# KiCad board TERES_PCB1-A64-MAIN_Rev.B.kicad_pcb (continued)
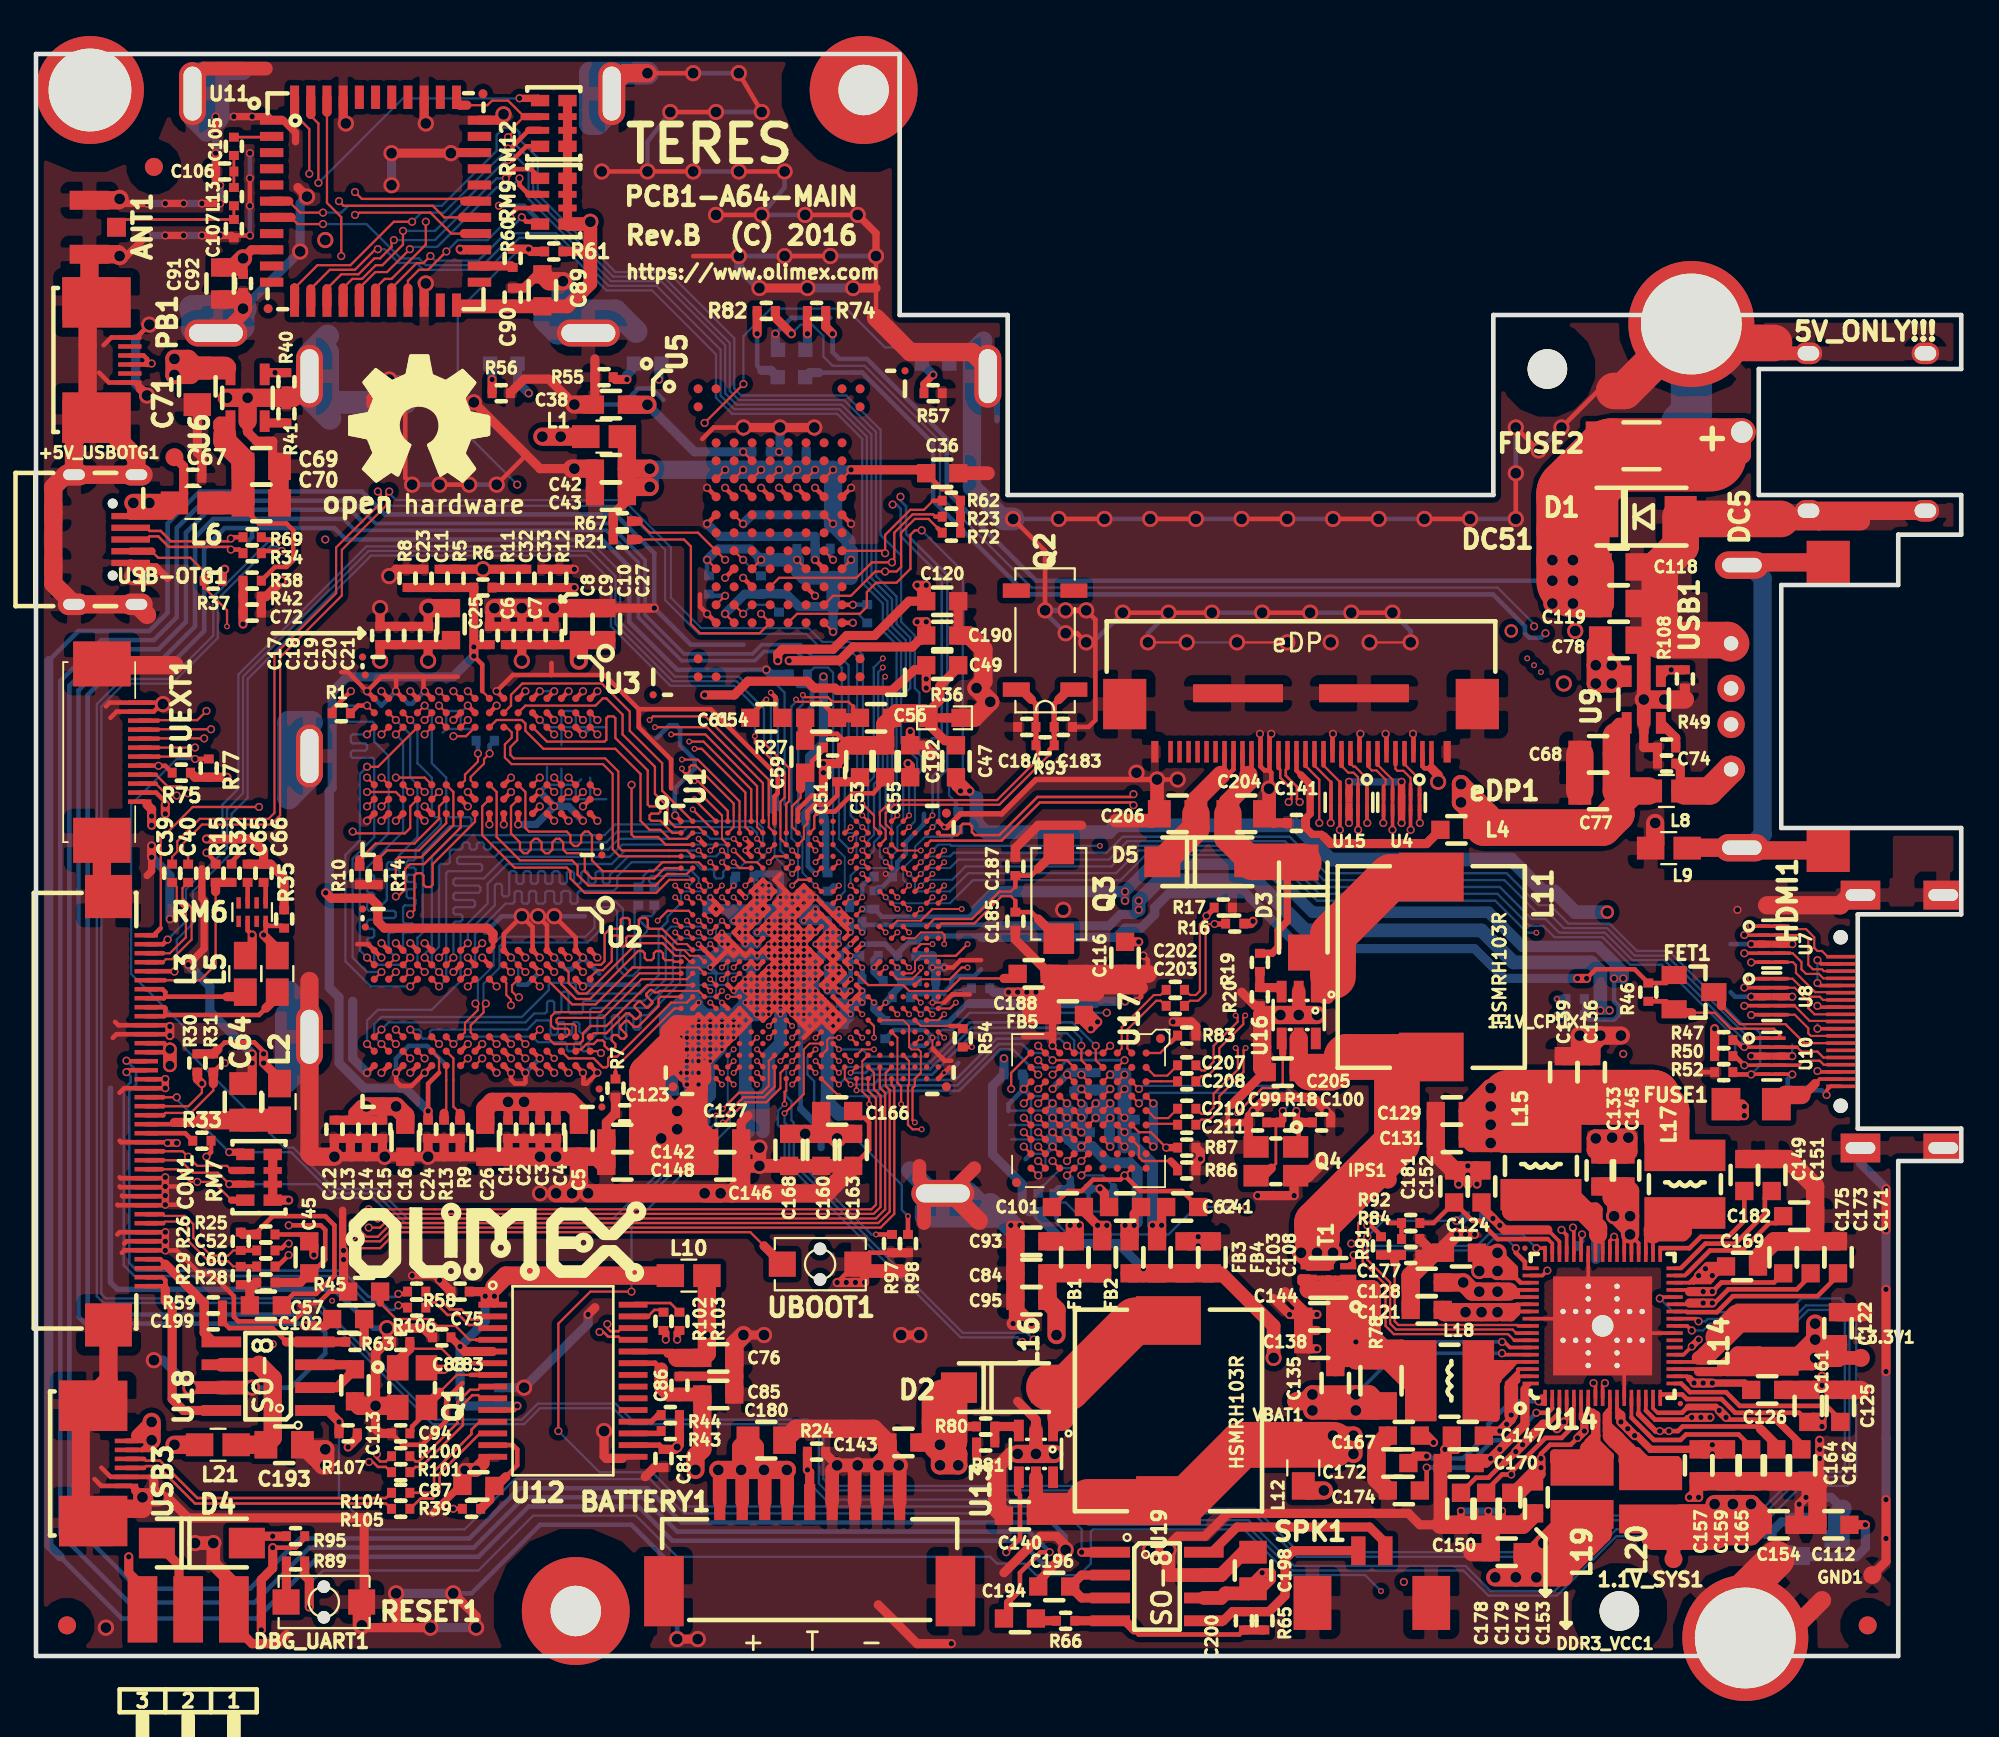
[diagram p0: board, top side]
## Routing (per net, layer and track width the routed paths; a pad name or vN(x,y) marks a point on that pad's centre or on a via; arc(x,y) is an arc through that point) (continued)
  Bottom w0.406: v4(38.78,42.8) 38.78,43.18 C22.2
/S0SWE: length 47.3
  Top w0.127: U1.C8 v4(40.07,45.4) ; U3.L3 v2(22.4,52) ; U2.L3 v2(22.4,38)
  In2.Cu w0.127: v2(22.4,52) 22.4,51.6 22.3,51.5 22.3,48.9 22.8,48.4 22.8,47.7 22.5,47.4 22.5,45.6 22.4,45.5 21.9,45.5 21.8,45.4 21.8,45.2 21.9,45.1 22.4,45.1 22.5,45 22.5,44.8 22.4,44.7 21.6,44.7 21.5,44.6 21.5,44.3 21.6,44.2 21.9,44.2 22,44.1 22,43.9 21.9,43.8 21.6,43.8 21.5,43.7 21.5,43.5 21.6,43.4 21.9,43.4 22,43.3 22,43.1 21.9,43 21.6,43 21.5,42.9 21.5,42.7 21.6,42.6 21.9,42.6 22,42.5 22,42.2 22.4,41.8 22.4,40.5 22.8,40.1 22.8,38.4 v2(22.4,38)
  Bottom w0.127: v2(22.4,38) 22,38.4 22,39 22.4,39.4 22.4,43.9 22.5,44 22.9,44 23,44.1 23,44.7 23.1,44.8 23.6,44.8 23.7,44.9 23.7,45.1 23.8,45.2 24,45.2 24.1,45.1 24.1,44.9 24.2,44.8 24.4,44.8 24.5,44.9 24.5,45.1 24.6,45.2 24.8,45.2 24.9,45.1 24.9,44.9 25,44.8 25.2,44.8 25.3,44.9 25.3,45.1 25.4,45.2 31.7,45.2 32.3,45.8 35.95,45.8 36.2,46.05 39.75,46.05 40.07,45.73 v4(40.07,45.4)
/USB&HDMI,WiFi&BT,Ethernet,LCD/AP-WAKE-BT: length 70.3
  Top w0.127: U1.B20 v4(48.53,46.05) ; v2(15.95,80.19) 14.68,80.19 14.05,80.82
  Top w0.508: U11.6 14.05,80.82
  Bottom w0.107: 48.85,46.38 48.85,47.02
  Bottom w0.127: v4(48.53,46.05) 48.85,46.38 ; v2(15.95,80.19) 16.97,80.19 17.35,80.57 22.56,80.57 25.6,83.62 25.6,84.51 25.98,84.89 26.62,84.89 26.87,84.63 26.87,84.25 27.89,83.24 27.89,81.2 32.21,76.89 35.13,76.89 38.81,73.2 38.81,70.41 39.19,70.03 45.03,70.03 46.94,68.12 46.94,62.28 48.08,61.14 48.08,57.45 48.84,56.69 48.84,53.77 49.1,53.52 49.1,50.09 49.22,49.96 49.22,49.2 48.85,48.83 48.85,47.02
/USB&HDMI,WiFi&BT,Ethernet,LCD/BT-PCM-CLK: length 104.8
  Top w0.127: v2(18.49,23.8) 19.13,23.8 19.63,24.31 46.69,24.31 47.19,24.82 47.19,31.28 46.9,31.58 U1.AB18 ; 23.83,79.02 23.08,79.02 21.92,80.19 17.98,80.19 17.86,80.06 v2(17.73,80.06)
  Top w0.508: 23.8,79.02 U11.26
  In2.Cu w0.127: v2(17.73,80.06) 17.98,79.81 17.98,62.28 13.67,57.96 13.67,28.63 v2(18.49,23.8)
/USB&HDMI,WiFi&BT,Ethernet,LCD/BT-PCM-DIN: length 108.1
  Top w0.127: U1.AC19 47.55,31.72 47.7,31.57 47.7,24.56 46.94,23.8 19.89,23.8 19.13,23.04 18.17,23.04 17.92,23.29 v2(17.6,23.29) ; v2(16.84,80.82) 17.09,80.57 22.05,80.57 22.69,79.92 23.7,79.92
  Top w0.508: 23.81,79.92 23.7,79.92 U11.27
  In2.Cu w0.127: v2(16.84,80.82) 16.84,79.68 17.47,79.05 17.47,62.53 13.16,58.22 13.16,28.25 17.09,24.31 17.09,23.8 v2(17.6,23.29)
/USB&HDMI,WiFi&BT,Ethernet,LCD/BT-PCM-DOUT: length 75.8
  Top w0.127: v4(49.82,35.65) U1.U22
  Top w0.508: v2(23.57,78.16) 23.6,78.12 U11.25
  In3.Cu w0.107: 50.15,35.33 51.45,35.33
  In3.Cu w0.127: v4(49.82,35.65) 50.15,35.33 ; v2(23.57,78.16) 24.08,78.66 29.03,78.66 29.79,77.9 32.97,77.9 38.94,71.93 44.38,71.93 50.5,65.82 50.5,61.39 51.26,60.63 51.26,57.56 57.48,51.34 57.48,44.5 58.75,43.23 58.75,37.39 56.72,35.36 51.48,35.36 51.45,35.33
/USB&HDMI,WiFi&BT,Ethernet,LCD/BT-PCM-SYNC: length 107.4
  Top w0.107: 47.22,32.4 47.22,31.66
  Top w0.127: 23.83,80.82 23.7,80.95 18.11,80.95 v2(17.73,81.33) ; U1.AB19 47.22,32.4 ; v2(17.6,24.05) 18.36,23.29 19,23.29 19.76,24.05 46.81,24.05 47.45,24.69 47.45,31.44 47.22,31.66
  Top w0.508: U11.28 23.83,80.82
  In2.Cu w0.127: v2(17.6,24.05) 17.47,24.18 17.47,24.31 13.41,28.37 13.41,58.09 17.73,62.41 17.73,79.3 17.22,79.81 17.22,80.31 17.73,80.82 v2(17.73,81.33)
/USB&HDMI,WiFi&BT,Ethernet,LCD/BT-RST-N: length 60.2
  Top w0.127: 23.95,86.16 25.09,86.16 25.35,86.41 26.24,86.41 27.13,85.52 26.49,84.89 26.49,84.63 v2(26.24,84.38) ; U1.A20 v4(48.53,46.7)
  Top w0.406: RM12.3.2 27.13,85.52
  Top w0.508: 23.95,86.16 23.57,86.16 23.37,86.36 U11.34
  Bottom w0.127: v4(48.53,46.7) 48.53,48.88 48.97,49.33 48.97,49.84 48.08,50.72 48.08,53.26 48.59,53.77 48.59,56.57 47.83,57.33 47.83,58.85 46.69,59.99 46.69,68 44.91,69.77 39.06,69.77 38.56,70.28 38.56,72.95 34.87,76.63 32.08,76.63 27.64,81.08 27.64,82.98 v2(26.24,84.38)
/USB&HDMI,WiFi&BT,Ethernet,LCD/BT-UART-CTS: length 104.3
  Top w0.127: U1.AC17 46.25,31.41 46.69,30.98 46.69,25.07 46.43,24.82 v2(18.49,24.82) ; 14.37,85.65 15.19,84.83 v2(15.19,82.35)
  Top w0.508: U11.44 14.37,85.65
  In2.Cu w0.127: v2(18.49,24.82) 18.36,24.94 18.11,24.94 14.17,28.88 14.17,31.95 14.17,31.95 14.17,57.71 18.49,62.03 18.49,81.82 17.96,82.35 v2(15.19,82.35)
/USB&HDMI,WiFi&BT,Ethernet,LCD/BT-UART-RX: length 119.9
  Top w0.107: 46.57,32.4 46.57,31.75
  Top w0.127: v2(15.7,81.84) 15.7,85.14 15.32,85.52 15.32,85.61 15.27,85.65 ; 46.57,31.75 46.57,31.5 46.94,31.13 46.94,24.94 46.56,24.56 19.25,24.56 v2(19,24.31) ; U1.AB17 46.57,32.4
  Top w0.406: v2(26.87,86.54) 27.89,86.54 RM12.4.2
  Top w0.508: 15.27,85.82 15.27,85.65 U11.43
  In2.Cu w0.127: v2(19,24.31) 18.36,24.31 13.92,28.75 13.92,32.05 13.92,57.84 18.24,62.15 18.24,81.59 17.98,81.84 v2(15.7,81.84)
  Bottom w0.127: v2(26.87,86.54) 20.4,86.54 v2(15.7,81.84)
/USB&HDMI,WiFi&BT,Ethernet,LCD/BT-UART-TX: length 86.9
  Top w0.107: 50.8,35.97 U1.U23
  Top w0.127: 50.8,35.97 v4(51.12,36.3) ; v2(16.97,77.78) 16.97,79.93 16.17,80.73 16.17,85.78
  Top w0.508: 16.17,85.81 16.17,85.78 U11.42
  In3.Cu w0.127: v2(16.97,77.78) 17.09,77.78 17.22,77.65 21.28,77.65 21.79,77.14 32.59,77.14 38.56,71.17 44.02,71.17 49.73,65.46 49.73,61.01 50.5,60.25 50.5,57.2 56.72,50.98 56.72,44.12 57.99,42.85 57.99,37.77 56.34,36.12 52.45,36.12 52.27,36.3 v4(51.12,36.3)
/USB&HDMI,WiFi&BT,Ethernet,LCD/BT-WAKE-AP: length 65.7
  Top w0.127: v2(15.95,79.55) 14.54,79.55 14.17,79.92 ; 47.55,44.42 v4(47.22,44.75)
  Top w0.508: 14.18,79.92 U11.7
  Bottom w0.107: 47.55,45.08 47.55,47.35
  Bottom w0.127: 47.55,47.35 47.57,47.37 47.57,53.52 48.08,54.03 48.08,56.31 47.32,57.07 47.32,58.6 46.18,59.74 46.18,67.74 44.65,69.27 38.81,69.27 38.05,70.03 38.05,72.57 34.49,76.12 31.83,76.12 28.91,79.05 26.62,79.05 24.84,77.27 21.67,77.27 21.28,77.65 20.27,77.65 18.36,79.55 v2(15.95,79.55) ; v4(47.22,44.75) 47.55,45.08
/USB&HDMI,WiFi&BT,Ethernet,LCD/HCEC: length 61.7
  Top w0.127: 95.34,34.33 v2(95.33,34.34) ; 96.91,34.54 96.6,34.85 94.18,34.85 93.29,35.74 92.02,35.74 ; U1.F21 v4(49.18,43.45)
  Top w0.203: 96.91,34.54 U10.10 U10.1 95.34,34.33
  Top w0.254: R46.2 90.6,36.37 FET1.2
  Top w0.508: 92.02,35.74 91.23,35.74 FET1.2
  Bottom w0.107: 49.5,43.77 50.8,43.77
  Bottom w0.127: 50.8,43.77 51.27,44.25 59.64,44.25 60.66,45.26 69.42,45.26 71.58,43.1 81.61,43.1 83.39,41.33 84.02,41.33 84.91,40.44 87.32,40.44 88.85,38.91 90.63,38.91 95.2,34.34 v2(95.33,34.34) ; v4(49.18,43.45) 49.5,43.77
/USB&HDMI,WiFi&BT,Ethernet,LCD/HHPD: length 59.1
  Top w0.127: 95.34,32.33 v2(95.33,32.31) ; U1.E21 v4(49.18,44.1)
  Top w0.203: 95.34,32.33 U10.5 U10.6 97.6,32.33 v2(97.61,32.31)
  Top w0.254: v2(95.33,32.31) 94.44,32.31 R52.1
  Bottom w0.107: 49.5,44.42 50.8,44.42
  Bottom w0.127: v4(49.18,44.1) 49.5,44.42 ; v2(95.33,32.31) 95.83,32.82 95.83,34.59 95.58,34.85 95.07,34.85 90.75,39.17 88.98,39.17 87.45,40.69 85.17,40.69 84.15,41.71 83.51,41.71 81.74,43.48 71.7,43.48 69.67,45.52 60.4,45.52 59.51,44.63 51,44.63 50.8,44.42
  Bottom w0.254: v2(97.61,32.31) 97.36,32.06 R51.1
/USB&HDMI,WiFi&BT,Ethernet,LCD/HSCL: length 58.4
  Top w0.127: 94.95,33.83 v2(94.94,33.83) ; 97.87,33.83 98.12,33.58 99.01,33.58 99.34,33.25 HDMI1.15 ; U1.G21 v4(49.18,42.8)
  Top w0.203: 97.87,33.83 U10.9 U10.2 94.95,33.83
  Top w0.254: v2(94.94,33.83) 94.82,33.83 94.44,34.21 R47.2
  Bottom w0.107: 49.5,43.12 50.93,43.12
  Bottom w0.127: 50.93,43.12 51.67,43.87 59.77,43.87 60.91,45.01 69.16,45.01 71.45,42.72 81.36,42.72 83.13,40.95 83.9,40.95 84.66,40.18 87.2,40.18 88.72,38.66 90.5,38.66 94.82,34.34 94.82,33.96 v2(94.94,33.83) ; v4(49.18,42.8) 49.5,43.12
/USB&HDMI,WiFi&BT,Ethernet,LCD/HSDA: length 60.5
  Top w0.127: 94.95,32.83 v2(94.94,32.82) ; 98,32.83 98.25,33.07 99.14,33.07 99.36,32.85 HDMI1.16 ; U1.E20 v4(48.53,43.45)
  Top w0.203: 94.95,32.83 U10.4 U10.7 98,32.83
  Top w0.254: v2(94.94,32.82) 94.44,33.33 R50.2
  Bottom w0.107: 48.85,43.12 48.85,42.63 49.01,42.48 50.8,42.48
  Bottom w0.127: v2(94.94,32.82) 94.44,33.33 94.44,34.34 90.37,38.41 88.59,38.41 87.07,39.93 84.4,39.93 83.77,40.56 83.01,40.56 81.23,42.34 71.32,42.34 68.91,44.76 61.29,44.76 60.02,43.48 51.81,43.48 50.8,42.48 ; v4(48.53,43.45) 48.85,43.12
/USB&HDMI,WiFi&BT,Ethernet,LCD/HTX0_N: length 62.3
  Top w0.119: 97.36,37.13 97.75,37.13 98.5,36.37 98.5,35.99 98.84,35.65 HDMI1.9
  Top w0.127: U1.G23 v4(50.47,42.8)
  Top w0.203: v2(94.94,37.13) 94.95,37.13 U8.2 U8.9 97.36,37.13
  In2.Cu w0.097: v2(94.94,37.13) 94.75,37.33 94.02,37.33 78.37,52.98 62.12,52.98 52.04,42.9 51.82,42.9 51.64,43.07 51.48,43.07 51.3,42.9 51.05,42.9 50.88,43.07 50.55,43.07 50.47,43 v4(50.47,42.8)
/USB&HDMI,WiFi&BT,Ethernet,LCD/HTX0_P: length 62.3
  Top w0.107: U1.G22 v4(49.82,42.8)
  Top w0.119: 97.36,37.63 97.63,37.63 98.63,36.63 99.14,36.63 99.31,36.45 HDMI1.7
  Top w0.203: v2(95.33,37.64) 95.34,37.63 U8.1 U8.10 97.36,37.63
  In2.Cu w0.097: v4(49.82,42.8) 50.41,43.39 52.08,43.39 61.99,53.3 78.5,53.3 94.15,37.64 v2(95.33,37.64)
/USB&HDMI,WiFi&BT,Ethernet,LCD/HTX1_N: length 62.7
  Top w0.107: U1.F22 v4(49.82,43.45)
  Top w0.119: 97.36,38.55 97.65,38.55 97.82,38.38 97.82,37.95 98.88,36.88 99.52,36.88 99.55,36.85 HDMI1.6
  Top w0.203: v2(95.33,38.53) 95.34,38.55 U7.5 U7.6 97.36,38.55
  In2.Cu w0.097: v2(95.33,38.53) 94.21,38.53 78.75,53.99 61.74,53.99 51.52,43.77 50.8,43.77
  In2.Cu w0.107: 50.15,43.77 50.8,43.77
  In2.Cu w0.127: v4(49.82,43.45) 50.15,43.77
/USB&HDMI,WiFi&BT,Ethernet,LCD/HTX1_P: length 62.8
  Top w0.107: U1.E23 v4(50.47,44.1)
  Top w0.119: 97.48,39.05 97.49,39.04 97.64,39.04 98.12,38.56 98.12,38.15 98.37,37.9 99.09,37.9 99.33,37.65 HDMI1.4
  Top w0.203: v2(94.94,39.04) 94.95,39.05 U7.4 U7.7 97.48,39.05
  In2.Cu w0.097: v4(50.47,44.1) 51.39,44.1 51.54,44.25 51.54,44.39 51.48,44.45 51.48,44.59 51.62,44.73 51.76,44.73 51.82,44.67 51.96,44.67 52.11,44.81 52.11,44.95 52.05,45.01 52.05,45.16 52.19,45.3 52.33,45.3 52.39,45.24 52.53,45.24 52.67,45.38 52.67,45.52 52.61,45.58 52.61,45.72 52.75,45.86 53.16,45.86 61.61,54.31 78.88,54.31 94.34,38.85 94.75,38.85 v2(94.94,39.04)
/USB&HDMI,WiFi&BT,Ethernet,LCD/HTX2_N: length 63.4
  Top w0.119: 97.35,40.05 97.36,40.06 98.25,40.06 98.5,39.8 98.5,38.41 98.75,38.15 99.26,38.15 99.37,38.05 HDMI1.3
  Top w0.127: U1.E22 v4(49.82,44.1)
  Top w0.203: v2(94.94,40.06) 94.95,40.05 U7.2 U7.9 97.35,40.05
  In2.Cu w0.097: 50.8,44.42 51.03,44.65 51.03,44.75 61.28,55.01 79.13,55.01 93.89,40.25 94.75,40.25 v2(94.94,40.06)
  In2.Cu w0.107: 50.15,44.42 50.8,44.42
  In2.Cu w0.127: v4(49.82,44.1) 50.15,44.42
/USB&HDMI,WiFi&BT,Ethernet,LCD/HTX2_P: length 63.4
  Top w0.119: 99.58,38.85 99.26,39.17 99.01,39.17 98.83,39.34 98.83,39.93 98.37,40.39 97.54,40.39 97.37,40.55
  Top w0.127: 50.15,44.42 v4(50.47,44.75) ; HDMI1.1 99.58,38.85
  Top w0.203: v2(95.33,40.56) 95.34,40.55 U7.1 U7.10 97.37,40.55
  In2.Cu w0.097: v4(50.47,44.75) 50.7,44.97 50.8,44.97 51,45.18 51,45.3 50.73,45.58 50.73,45.7 50.85,45.82 50.98,45.82 51.25,45.55 51.37,45.55 51.5,45.67 51.5,45.8 51.32,45.98 51.32,46.1 51.44,46.23 51.56,46.23 51.75,46.04 51.87,46.04 52.82,46.99 61.15,55.33 79.26,55.33 94.03,40.56 v2(95.33,40.56)
/USB&HDMI,WiFi&BT,Ethernet,LCD/HTXC_N: length 63.6
  Top w0.119: HDMI1.12 98.65,34.45 98.5,34.59 98.5,34.88 97.75,35.63 97.36,35.63
  Top w0.127: U1.H23 v4(50.47,42.15)
  Top w0.203: v2(95.33,35.61) 95.34,35.63 97.36,35.63
  In2.Cu w0.097: v2(95.33,35.61) 93.32,35.61 93.01,35.93 93.01,36.94 92.85,37.1 91.78,37.1 91.48,37.4 91.48,38.47 77.99,51.96 62.5,51.96 52.66,42.12 51.13,42.12 51,42 51,41.83 50.88,41.71 50.62,41.71 50.47,41.85 v4(50.47,42.15)
/USB&HDMI,WiFi&BT,Ethernet,LCD/HTXC_P: length 63.6
  Top w0.119: 97.73,36.13 98.58,35.28 99.49,35.28 99.52,35.25 HDMI1.10
  Top w0.127: U1.H22 v4(49.82,42.15)
  Top w0.203: v2(94.94,36.12) 94.95,36.13 U8.4 U8.7 97.73,36.13
  In2.Cu w0.097: v2(94.94,36.12) 94.75,35.93 93.46,35.93 93.33,36.06 93.33,37.07 92.98,37.42 91.91,37.42 91.8,37.53 91.8,38.6 78.12,52.28 62.37,52.28 52.53,42.44 50.83,42.44 50.8,42.48
  In2.Cu w0.107: 50.15,42.48 50.8,42.48
  In2.Cu w0.127: v4(49.82,42.15) 50.15,42.48
/USB&HDMI,WiFi&BT,Ethernet,LCD/HUSB1-D+: length 134.7
  Top w0.406: v2(35.64,17.58) 35.64,17.96 35.76,18.08
  In2.Cu w0.119: 93.42,53.26 92.94,52.78 92.34,52.78 91.74,52.18 91.74,44.18 93.61,42.32 95.33,42.32 96.32,41.33 96.32,29.32 101.6,24.04 101.6,9.97 98.06,6.43 87.52,6.43 83.29,2.2 39.95,2.2 33.63,8.52 33.63,13.07 35.47,14.91 35.47,17.41 v2(35.64,17.58)
  In2.Cu w1.016: 93.42,53.26 93.72,53.26 USB1.3
/USB&HDMI,WiFi&BT,Ethernet,LCD/HUSB1-D-: length 135.6
  Top w0.406: v2(35,17.58) 35,17.96 34.87,18.08
  In2.Cu w0.119: v2(35,17.58) 35.17,17.41 35.17,17.07 35.04,16.94 34.87,16.94 34.75,16.81 34.75,16.56 34.87,16.43 35.04,16.43 35.17,16.31 35.17,15.04 33.32,13.2 33.32,8.39 39.82,1.9 83.42,1.9 87.64,6.12 98.18,6.12 101.9,9.84 101.9,24.17 96.62,29.45 96.62,41.45 95.45,42.62 93.74,42.62 92.05,44.31 92.05,52.06 92.47,52.48 92.94,52.48 93.42,51.99
  In2.Cu w1.016: 93.42,51.99 93.97,51.99 USB1.2
/USB&HDMI,WiFi&BT,Ethernet,LCD/HUSB1-D_N: length 1.9
  Top w0.142: 34,18.87 34.37,19.23 34.75,19.23 R102.2
  Top w0.305: U12.27 34,18.87
/USB&HDMI,WiFi&BT,Ethernet,LCD/HUSB1-D_P: length 2.8
  Top w0.142: R103.2 35.25,19.61 33.28,19.61 U12.28
/USB&HDMI,WiFi&BT,Ethernet,LCD/HUSB4-D+: length 15.8
  Top w0.142: 19.76,8.18 19.74,8.18 19.44,8.47 8.84,8.47 6.76,10.55 6.1,10.55 6,10.45
  Top w0.254: 6,10.45 5.03,10.45
/USB&HDMI,WiFi&BT,Ethernet,LCD/HUSB4-D-: length 15.8
  Top w0.142: 6,10.95 6.1,10.85 6.89,10.85 8.97,8.78 19.44,8.78 19.74,9.07 19.76,9.07
  Top w0.254: 6,10.95 5.03,10.95
/USB&HDMI,WiFi&BT,Ethernet,LCD/HUSB4-D_N: length 7
  Top w0.142: R104.2 21.95,9.07 22.12,9.25 22.12,10.25 24.21,12.33 24.21,12.57 24.65,13.02 U12.11
/USB&HDMI,WiFi&BT,Ethernet,LCD/HUSB4-D_P: length 6.9
  Top w0.142: U12.12 24.67,12.37 22.43,10.12 22.43,9.12 22.06,8.75 21.37,8.75 20.8,8.18 R105.2
/USB&HDMI,WiFi&BT,Ethernet,LCD/LED-CAPSLOCK: length 102
  Top w0.127: U1.AC5 v4(38.78,31.75)
  In3.Cu w0.127: v4(38.78,31.75) 38.78,30.5 38.56,30.28 38.56,28.88 32.97,23.29 21.03,23.29 17.86,20.12 12.52,20.12 11.51,21.13 11.51,28.37 9.09,30.78 9.09,31.29 8.71,31.67 8.71,35.23 5.16,38.79 5.16,48.69 8.2,51.74 8.2,54.03 11,56.82 11,57.58 12.14,58.73 12.14,62.92 17.86,68.63 25.48,68.63 27,70.16 v2(27.38,70.16)
  Bottom w0.508: v2(27.38,70.16) 26.76,70.77 LED2.2
/USB&HDMI,WiFi&BT,Ethernet,LCD/LED-NUMLOCK: length 118.8
  Top w0.127: U1.AC7 v4(40.07,31.75)
  In3.Cu w0.127: v2(34.62,70.92) 34.11,70.41 31.32,70.41 30.68,71.04 29.29,71.04 28.9,70.66 27.13,70.66 25.35,68.89 17.73,68.89 11.89,63.04 11.89,58.98 10.24,57.33 10.24,56.82 7.7,54.28 7.7,51.99 4.65,48.95 4.65,38.53 8.2,34.98 8.2,31.29 8.58,30.91 8.58,30.4 8.97,30.02 8.97,27.23 9.47,26.72 9.47,21.13 12.52,18.08 13.54,18.08 14.17,17.45 19.08,17.45 19.89,17.45 24.46,22.02 39.06,22.02 41.1,24.05 41.1,28.5 40.07,29.52 v4(40.07,31.75)
  Bottom w0.508: v2(34.62,70.92) 34.62,71.66 LED1.2
/USB&HDMI,WiFi&BT,Ethernet,LCD/LED-POWER: length 128.3
  Top w0.127: v2(39.32,70.66) v2(37.16,68.5) ; U1.AB5 v4(38.78,33.05)
  In3.Cu w0.107: U1.AB5 37.97,32.72 37.53,32.28 37.53,31.42
  In3.Cu w0.127: 37.53,31.42 36.65,30.55 36.65,28.5 32.46,24.31 20.52,24.31 17.35,21.13 13.03,21.13 12.52,21.64 12.52,29.01 10.36,31.17 10.36,32.31 9.73,32.94 9.73,35.36 5.92,39.17 5.92,47.55 7.82,49.45 7.82,50.6 8.71,51.49 8.71,53.77 12.39,57.45 12.39,62.79 17.98,68.38 25.6,68.38 26.87,69.65 28.27,69.65 29.41,70.79 30.56,70.79 31.19,70.16 34.49,70.16 36.14,68.5 v2(37.16,68.5) ; v4(38.78,33.05) U1.AB5
  Bottom w0.127: 50.25,72.44 49.99,72.69 47.19,72.69 45.03,74.85 40.84,74.85 39.32,73.33 v2(39.32,70.66)
  Bottom w0.508: 50.25,72.44 50.76,71.93 LED3.2
/USB&HDMI,WiFi&BT,Ethernet,LCD/USB0-ID: length 87.6
  Top w0.127: 6.43,61.38 6.79,61.01 8.58,61.01 9.35,60.25 ; 9.35,59.36 10.62,58.09 v4(10.62,57.2) ; U1.AA8 v4(40.07,33.7)
  Top w0.254: 9.35,59.36 R37.1 9.35,60.25
  Top w0.406: 6.44,61.38 USB-OTG1.4
  In3.Cu w0.107: 39.75,33.38 39.75,32.72
  In3.Cu w0.127: v4(40.07,33.7) 39.75,33.38 ; 39.75,32.72 39.43,32.4 39.43,30.38 39.06,30.02 39.06,28.63 33.22,22.78 21.28,22.78 17.86,19.36 16.33,19.36 15.82,19.86 12.4,19.86 11.25,21.01 11.25,28.25 8.84,30.66 8.84,31.17 8.46,31.55 8.46,35.1 4.9,38.66 4.9,48.82 7.95,51.87 7.95,54.15 10.62,56.82 v4(10.62,57.2)
/USB&HDMI,WiFi&BT,Ethernet,LCD/USB0-VBUSDET: length 76.4
  Top w0.127: U1.AB4 v4(38.12,32.4)
  Top w0.508: R38.1 R42.2 C72.2 v2(11.51,57.33)
  In3.Cu w0.107: 37.8,32.08 37.8,31.42
  In3.Cu w0.127: 37.8,31.42 37.8,31.3 36.91,30.4 36.91,28.37 32.59,24.05 20.65,24.05 17.47,20.88 12.9,20.88 12.27,21.51 12.27,28.88 10.11,31.04 10.11,32.18 9.47,32.82 9.47,35.23 5.66,39.04 5.66,47.68 7.57,49.58 7.57,50.72 8.46,51.61 8.46,53.9 11.51,56.95 v2(11.51,57.33) ; v4(38.12,32.4) 37.8,32.08
/USB&HDMI,WiFi&BT,Ethernet,LCD/USB1-D_N: length 75.1
  Top w0.142: v2(61,47.27) 60.84,47.42 55.79,47.42 53.67,45.3 49.73,45.3 U1.C22 ; v2(31.32,18) 31.54,18 31.8,17.74 32.38,17.74 32.55,17.57 U12.25
  In3.Cu w0.119: v2(61,47.27) 61.15,47.42 61.33,47.42 62.28,46.47 62.28,33.33 63.8,31.8 63.8,23.86 62.5,22.56 53.23,22.56 50.05,19.38 31.7,19.38 31.32,19 v2(31.32,18)
/USB&HDMI,WiFi&BT,Ethernet,LCD/USB1-D_P: length 75.1
  Top w0.142: U1.B23 50.27,45.61 51.22,45.61 51.38,45.77 51.38,46.1 51.51,46.23 51.89,46.23 52.02,46.1 52.02,45.77 52.18,45.61 53.54,45.61 55.66,47.72 60.84,47.72 v2(61,47.88) ; U12.26 32.55,18.22 32.38,18.04 31.93,18.04 31.75,18.22 v2(31.75,18.44)
  In3.Cu w0.119: v2(31.75,18.44) 31.63,18.56 31.63,18.88 31.82,19.08 50.18,19.08 53.35,22.25 62.62,22.25 64.11,23.74 64.11,31.93 62.59,33.45 62.59,46.6 61.46,47.72 61.15,47.72 v2(61,47.88)
/USB&HDMI,WiFi&BT,Ethernet,LCD/USB1-DRV: length 52.7
  Top w0.107: 47.88,44.75 v4(49.18,44.75)
  Top w0.127: U1.C19 47.88,44.75
  Top w0.508: R108.2 v2(90.88,54.79) 90.63,54.79 90.31,54.47 U9.4
  In2.Cu w0.107: 50.15,45.73 50.15,46.38
  In2.Cu w0.127: v4(49.18,44.75) 50.15,45.73 ; 50.15,46.38 51.07,47.3 51.76,47.3 61.54,57.07 78.94,57.07 82.75,53.26 87.96,53.26 89.48,54.79 v2(90.88,54.79)
/USB&HDMI,WiFi&BT,Ethernet,LCD/WL-PMU-EN: length 70.2
  Top w0.127: v2(20.9,79.68) 19.89,79.68 17.47,77.27 15.64,77.27 14.37,76 ; U1.A19 v4(47.88,46.7)
  Top w0.254: 27.38,84.76 26.36,83.74 v2(26.24,83.74)
  Top w0.406: RM12.2.2 27.38,84.76
  Top w0.508: 14.37,75.94 14.37,76 U11.12
  Bottom w0.127: v4(47.88,46.7) 47.88,48.26 47.83,48.31 47.83,53.39 48.34,53.9 48.34,56.44 47.57,57.2 47.57,58.73 46.43,59.87 46.43,67.87 44.78,69.52 38.94,69.52 38.3,70.16 38.3,72.82 34.75,76.38 31.95,76.38 27.38,80.95 27.38,82.6 v2(26.24,83.74) 22.68,80.19 21.41,80.19 v2(20.9,79.68)
/USB&HDMI,WiFi&BT,Ethernet,LCD/WL-SDIO-CLK: length 2.9
  Top w0.107: 49.18,35 50.47,35
  Top w0.127: 50.47,35 50.8,35 ; U1.V21 49.18,35
  Top w0.254: 50.8,35 51.36,35 51.51,34.85
/USB&HDMI,WiFi&BT,Ethernet,LCD/WL-SDIO-CMD: length 94
  Top w0.127: v2(20.78,78.16) 19.51,76.89 18.86,76.89 17.97,76 ; v4(48.53,35.65) U1.U20
  Top w0.254: v2(26.87,82.09) 26.87,81.71 27.38,81.2
  Top w0.406: RM9.3.2 27.38,81.2
  Top w0.508: 17.97,75.99 17.97,76 U11.16
  In3.Cu w0.107: 49.18,35 51.45,35
  In3.Cu w0.127: v4(48.53,35.65) 49.18,35 ; v2(20.78,78.16) 20.9,78.28 22.05,78.28 22.68,78.92 29.16,78.92 29.92,78.16 33.07,78.16 39.04,72.19 44.5,72.19 50.75,65.94 50.75,61.52 51.51,60.76 51.51,57.67 57.73,51.44 57.73,44.63 59,43.36 59,37.24 56.87,35.1 52.27,35.1 52.17,35 51.45,35
  Bottom w0.127: v2(26.87,82.09) 26.36,81.59 25.6,81.59 22.3,78.28 20.9,78.28 v2(20.78,78.16)
/USB&HDMI,WiFi&BT,Ethernet,LCD/WL-SDIO-D0: length 90.7
  Top w0.127: v2(21.92,77.78) 21.53,77.38 21.16,77.38 19.77,76 ; v4(47.88,35.65) U1.U19
  Top w0.254: v2(27,79.93) 27.25,79.68 27.89,79.68 RM9.1.2
  Top w0.508: 19.77,76.01 U11.18
  In3.Cu w0.107: 48.2,35.97 51.45,35.97
  In3.Cu w0.127: v4(47.88,35.65) 48.2,35.97 ; 51.45,35.97 52.16,35.97 52.27,35.86 56.46,35.86 58.24,37.64 58.24,42.98 56.97,44.25 56.97,51.1 50.75,57.33 50.75,60.38 49.99,61.14 49.99,65.58 44.15,71.42 38.68,71.42 32.72,77.39 22.3,77.39 v2(21.92,77.78)
  Bottom w0.127: 24.67,77.6 v2(27,79.93) 24.59,77.52 22.17,77.52 v2(21.92,77.78)
/USB&HDMI,WiFi&BT,Ethernet,LCD/WL-SDIO-D1: length 84.5
  Top w0.107: U1.V22 50.15,35.33
  Top w0.127: 50.15,35.33 v4(50.47,35.65) ; 20.67,76 20.67,76.4 21.28,77.01 21.79,77.01 v2(22.81,78.03)
  Top w0.254: v2(26.36,79.93) 26.36,80.06 26.75,80.44 RM9.2.2
  Top w0.508: U11.19 20.67,76
  In3.Cu w0.127: v2(22.81,78.03) 23.19,77.65 32.84,77.65 38.81,71.68 44.27,71.68 50.24,65.71 50.24,61.27 51,60.5 51,57.45 57.23,51.23 57.23,44.37 58.5,43.1 58.5,37.52 56.59,35.61 50.75,35.61 50.71,35.65 v4(50.47,35.65)
  Bottom w0.127: v2(22.81,78.03) 23.44,78.66 25.09,78.66 v2(26.36,79.93)
/USB&HDMI,WiFi&BT,Ethernet,LCD/WL-SDIO-D2: length 96.7
  Top w0.127: 16.17,75.96 16.97,76.76 17.92,76.76 18.81,77.65 19.13,77.65 19.76,78.28 19.76,78.54 v2(19.89,78.66) ; v4(49.18,34.35) U1.Y21
  Top w0.254: v2(26.11,82.09) 26.62,82.6 27.51,82.6 RM9.4.2
  Top w0.508: U11.14 16.17,75.96
  In3.Cu w0.107: 49.5,34.67 50.8,34.67
  In3.Cu w0.127: v4(49.18,34.35) 49.5,34.67 ; 50.8,34.67 52.35,34.67 52.53,34.85 56.97,34.85 59.26,37.14 59.26,43.48 57.99,44.76 57.99,51.59 51.77,57.81 51.77,60.88 51,61.65 51,66.09 44.65,72.44 39.19,72.44 33.22,78.41 30.05,78.41 29.29,79.17 22.43,79.17 21.92,78.66 v2(19.89,78.66)
  Bottom w0.127: v2(19.89,78.66) 22.17,78.66 25.6,82.09 v2(26.11,82.09)
/USB&HDMI,WiFi&BT,Ethernet,LCD/WL-SDIO-D3: length 95.3
  Top w0.127: v2(20.4,79.17) 20.4,78.41 19.25,77.27 18.88,77.27 18.12,76.5 17.58,76.5 17.07,76 ; v4(50.47,34.35) U1.W23
  Top w0.254: v2(26.24,83.11) 26.49,83.11 27.25,83.87 RM12.1.2
  Top w0.508: 17.07,75.97 17.07,76 U11.15
  In3.Cu w0.127: v2(20.4,79.17) 21.92,79.17 22.17,79.43 29.41,79.43 30.17,78.66 33.35,78.66 39.32,72.7 44.76,72.7 51.26,66.2 51.26,61.77 52.02,61.01 52.02,57.96 58.24,51.74 58.24,44.88 59.51,43.61 59.51,37.01 57.1,34.59 52.78,34.59 52.54,34.35 v4(50.47,34.35)
  Bottom w0.127: v2(20.4,79.17) 22.17,79.17 25.98,82.98 26.11,82.98 v2(26.24,83.11)
/USB&HDMI,WiFi&BT,Ethernet,LCD/WL-WAKE-AP: length 65
  Top w0.127: 15.27,75.95 16.33,77.01 17.73,77.01 18.87,78.16 v2(19,78.16) ; v4(47.22,44.1) U1.E19
  Top w0.508: U11.13 15.27,75.95
  Bottom w0.107: 46.9,44.42 46.9,45.08
  Bottom w0.127: 46.9,45.08 47.22,45.4 47.22,48.33 47.32,48.42 47.32,53.65 47.83,54.15 47.83,56.19 47.07,56.95 47.07,58.47 45.92,59.61 45.92,67.62 44.53,69.01 38.68,69.01 37.79,69.9 37.79,72.31 34.24,75.87 31.7,75.87 28.78,78.79 26.87,78.79 25.09,77.01 21.54,77.01 21.16,77.39 20.14,77.39 19.38,78.16 v2(19,78.16) ; v4(47.22,44.1) 46.9,44.42
/VREF0_DDR3: length 73.3
  Top w0.127: 22.4,32.4 22.4,33.2 U2.M8 ; U3.M8 v2(22.4,48) ; U3.H1 24.8,53.6
  Top w0.254: v2(21.79,30.28) 21.79,31.79 22.4,32.4 ; U2.H1 25.4,39.4 25.4,39.8 ; v2(24.33,55.55) 24.8,55.08 24.8,53.6
  Top w0.508: v2(21.79,30.28) C24.1 ; v2(16.1,42.4) 16.4,42.1 18.6,42.1 19,41.7 19,40.8 19.36,40.44 25.09,40.44 25.4,40.13 25.4,39.8 ; v2(24.33,56.06) R6.1 R5.1 C11.2 C23.1 R8.2 ; v2(24.33,56.06) v2(24.33,55.55) ; v2(24.33,56.06) 24.46,56.19 C25.1
  In3.Cu w0.254: v2(24.33,55.55) 24.8,55.08 24.8,51.7 22.81,49.71 22.81,48.41 v2(22.4,48)
  In3.Cu w0.508: v2(24.33,56.06) v2(24.33,55.55)
  Bottom w0.508: v2(21.79,30.28) 20.52,31.55 18.24,31.55 16.84,32.94 16.84,36.59 16.3,37.13 16.3,42.2 v2(16.1,42.4) 16.3,42.6 16.3,48.06 16.46,48.22 16.46,53.56 17.3,54.4 23.18,54.4 v2(24.33,55.55) v2(24.33,56.06)
AP-CK32KO: length 50
  Top w0.107: 46.57,46.05 46.57,46.7
  Top w0.127: U1.B18 46.57,46.05 ; 46.57,46.7 v4(45.93,47.35)
  Top w0.508: R60.2 v2(27.38,78.16) 27.51,78.03 R61.1
  In3.Cu w0.127: v4(45.93,47.35) 44.71,48.56 43.51,48.56 39.19,52.88 39.19,54.79 38.43,55.55 36.91,55.55 34.87,57.58 34.87,58.34 33.73,59.49 33.73,62.28 31.57,64.44 27.38,64.44 v2(26.75,65.08)
  Bottom w0.127: v2(27.38,78.16) 26.87,78.16 23.44,74.73 23.44,68.38 v2(26.75,65.08)
AP-NMI#: length 76.8
  Top w0.127: U1.G18 v4(47.22,42.15) ; 82.26,17.94 82.07,18.14 75.59,18.14 75.26,18.47 75.26,20.75 73.99,22.02 v2(73.99,23.29)
  Top w0.203: U14.61 82.26,17.94
  In3.Cu w0.127: v2(78.94,24.18) 80.59,25.83 80.59,26.97 81.74,28.12 81.74,33.07 82.75,34.09 82.75,39.55 v4(83.39,40.18)
  Bottom w0.107: 47.55,41.83 50.8,41.83
  Bottom w0.127: v2(78.94,24.18) 74.88,24.18 v2(73.99,23.29) ; v4(83.39,40.18) 82.88,40.18 81.1,41.96 71.2,41.96 68.66,44.5 61.67,44.5 60.27,43.1 52.08,43.1 50.8,41.83 ; v4(47.22,42.15) 47.55,41.83
  Bottom w0.508: v2(78.94,24.18) 79.2,24.18 R85.1
AP-RESET#: length 182.2
  Top w0.127: U1.E17 v4(45.93,44.1)
  Top w0.203: v2(85.93,23.42) 85.87,23.36 U14.46
  Top w0.508: v2(15.19,2.72) 15.19,4.22 14.94,4.47 R89.2
  In2.Cu w0.127: v4(83.64,54.66) 82.63,54.66 77.55,59.74 53.16,59.74 48.34,54.91 47.7,54.91 v4(47.19,54.41)
  In3.Cu w0.127: v4(74.75,3.61) 75.9,4.75 75.9,7.67 81.48,13.26 81.48,13.56 81.74,13.82 82.56,13.82 84.47,15.72 84.47,21.96 v2(85.93,23.42) 85.93,23.93 84.66,25.2 84.66,34.85 85.17,35.36 85.17,36.5 84.66,37.01 84.66,38.28 85.67,39.29 85.67,51.49 83.64,53.52 v4(83.64,54.66)
  Bottom w0.127: v4(74.75,3.61) 73.86,4.5 69.67,4.5 67.13,7.04 58.75,7.04 58.62,6.91 58.62,5.13 57.99,4.5 55.57,4.5 54.94,5.13 53.42,5.13 53.03,5.51 35.64,5.51 33.35,7.8 27.64,7.8 24.59,4.75 15.95,4.75 15.19,3.99 v2(15.19,2.72) ; v4(45.93,44.1) 46.57,44.75 46.57,45.2 46.9,45.52 46.9,48.4 47.07,48.56 47.07,54.28 v4(47.19,54.41)
  Bottom w0.254: v2(85.93,23.42) 85.93,23.04 C156.2
